# KiCad board sizif128.kicad_pcb (continued)
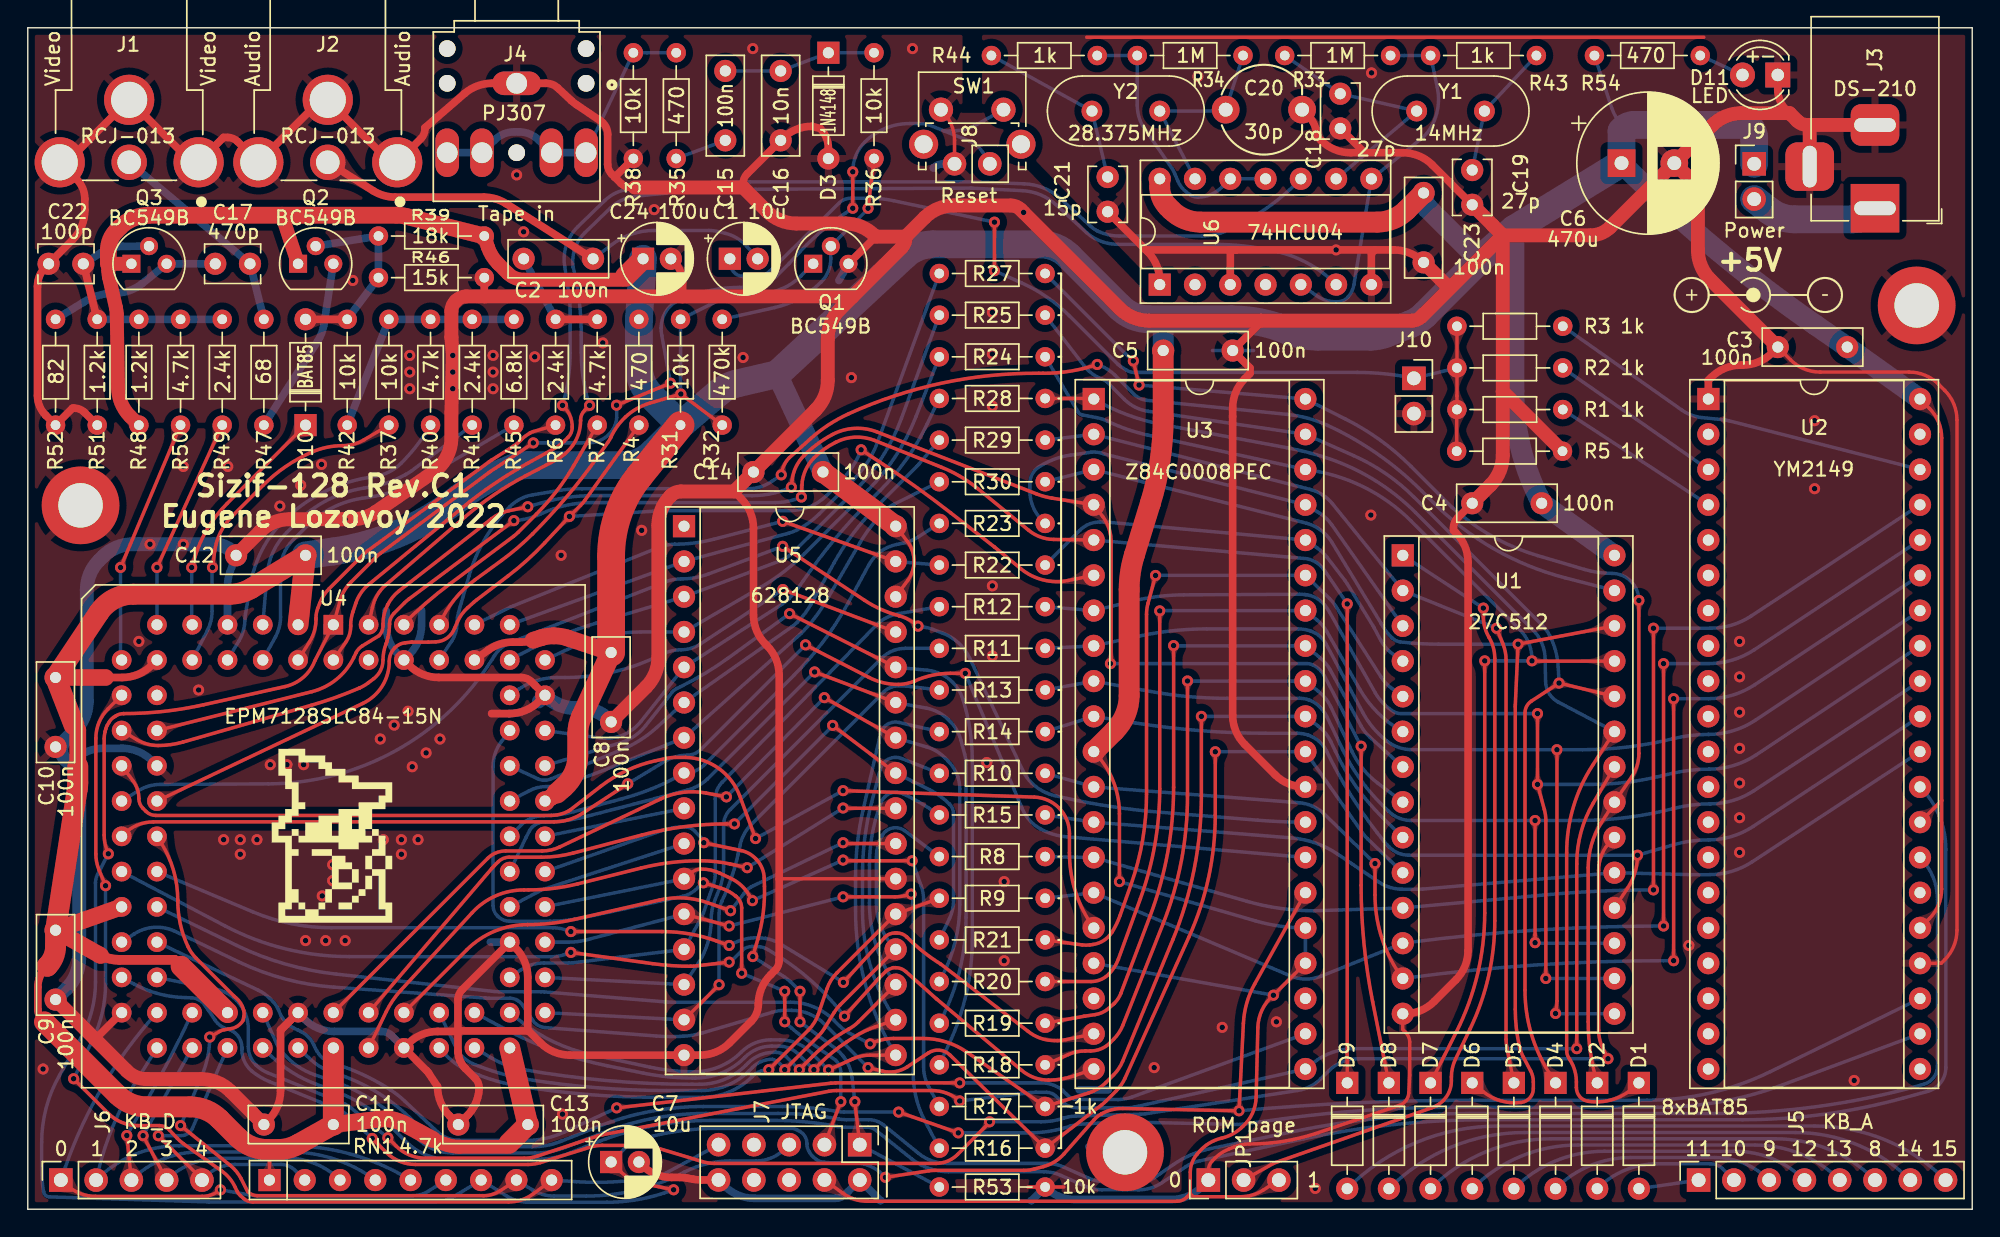
[diagram p0: board, top side]
## Copper pours and planes (outline as drawn; the poured copper is in the pictures) (continued)
VA8 on Bottom: 40.43,41.11 40,40.96 39.64,40.82 39.05,40.59 38.8,40.49 38.54,40.41 38.28,40.35 37.98,40.3 37.65,40.28 37.25,40.27 36.92,39.41 37.79,39.11 38.05,39.42 38.27,39.67 38.48,39.89 38.69,40.06 38.91,40.22 39.15,40.35 39.42,40.48 39.73,40.6 40.09,40.73 40.51,40.87
VA8 on Bottom: 49.25,42.89 49,42.75 48.77,42.64 48.58,42.56 48.4,42.5 48.23,42.46 48.05,42.44 47.87,42.42 47.67,42.41 47.45,42.4 47.19,42.38 46.9,41.38 47.91,41.13 48.06,41.35 48.18,41.54 48.29,41.71 48.39,41.86 48.5,42 48.62,42.13 48.76,42.25 48.92,42.39 49.13,42.52 49.38,42.68
VA8 on Bottom: 48.56,42.49 48.39,42.4 48.25,42.35 48.12,42.32 47.99,42.31 47.88,42.32 47.76,42.34 47.64,42.36 47.51,42.37 47.36,42.38 47.19,42.38 46.9,41.38 47.91,41.13 48,41.28 48.07,41.41 48.12,41.54 48.16,41.65 48.2,41.76 48.26,41.87 48.32,41.97 48.41,42.07 48.53,42.17 48.69,42.27
VA8 on Bottom: 64.99,59.41 65.08,59.64 65.18,59.84 65.26,60 65.35,60.14 65.45,60.26 65.55,60.38 65.66,60.49 65.79,60.6 65.94,60.73 66.11,60.89 65.76,61.73 64.93,61.34 64.95,61.12 64.97,60.92 64.99,60.75 64.99,60.59 64.99,60.44 64.98,60.29 64.95,60.12 64.91,59.94 64.84,59.74 64.75,59.5
VA8 on Bottom: 45.66,41.45 45.85,41.45 46,41.42 46.13,41.38 46.24,41.32 46.33,41.26 46.43,41.18 46.52,41.11 46.63,41.02 46.75,40.94 46.9,40.86 47.65,41.58 46.9,42.3 46.75,42.22 46.63,42.14 46.52,42.05 46.43,41.98 46.33,41.9 46.24,41.84 46.13,41.78 46,41.74 45.85,41.71 45.66,41.7
VA8 on Bottom: 44.86,41.45 45.15,41.45 45.4,41.43 45.61,41.4 45.79,41.36 45.96,41.31 46.12,41.25 46.29,41.17 46.47,41.08 46.67,40.98 46.9,40.86 47.65,41.58 46.9,42.3 46.67,42.18 46.47,42.08 46.29,41.99 46.12,41.91 45.96,41.85 45.79,41.8 45.61,41.76 45.4,41.73 45.15,41.71 44.86,41.7
VA9 on Bottom: 36.78,40.77 36.51,40.64 36.27,40.54 36.07,40.46 35.89,40.4 35.71,40.36 35.54,40.33 35.36,40.31 35.16,40.29 34.94,40.28 34.67,40.27 34.39,39.39 35.27,39.14 35.43,39.35 35.56,39.53 35.68,39.69 35.8,39.83 35.92,39.95 36.06,40.07 36.22,40.18 36.4,40.29 36.62,40.41 36.88,40.54
VA9 on Bottom: 48.7,44.79 48.52,44.74 48.36,44.71 48.23,44.7 48.11,44.72 48,44.74 47.88,44.78 47.77,44.82 47.64,44.86 47.49,44.89 47.32,44.92 46.88,43.98 47.83,43.57 47.94,43.7 48.03,43.82 48.1,43.93 48.16,44.04 48.22,44.14 48.29,44.23 48.37,44.32 48.48,44.41 48.61,44.48 48.78,44.56
VA9 on Bottom: 45,43.31 45.28,43.39 45.52,43.45 45.73,43.48 45.92,43.49 46.1,43.49 46.27,43.48 46.45,43.45 46.64,43.41 46.87,43.37 47.12,43.33 47.63,44.24 46.71,44.71 46.52,44.53 46.36,44.37 46.21,44.24 46.08,44.12 45.94,44.01 45.79,43.91 45.63,43.82 45.44,43.73 45.2,43.64 44.93,43.55
VA9 on Bottom: 65.03,62.39 65.12,62.63 65.21,62.83 65.29,63 65.38,63.14 65.47,63.26 65.57,63.37 65.68,63.49 65.81,63.61 65.95,63.74 66.12,63.9 65.75,64.73 64.93,64.33 64.96,64.11 64.98,63.91 65,63.74 65.01,63.58 65.01,63.43 65,63.27 64.98,63.11 64.94,62.93 64.88,62.72 64.79,62.48
VA9 on Bottom: 45.76,43.54 45.95,43.59 46.1,43.61 46.23,43.6 46.35,43.58 46.47,43.55 46.58,43.5 46.69,43.46 46.82,43.41 46.96,43.36 47.12,43.33 47.63,44.24 46.71,44.71 46.59,44.59 46.49,44.47 46.42,44.37 46.35,44.26 46.28,44.17 46.21,44.08 46.12,43.99 46.01,43.92 45.87,43.85 45.69,43.78
VA9 on Bottom: 36.13,40.45 35.95,40.37 35.79,40.31 35.65,40.27 35.52,40.25 35.4,40.25 35.28,40.25 35.01,40.27 34.85,40.27 34.67,40.27 34.39,39.39 35.27,39.14 35.38,39.29 35.46,39.42 35.59,39.65 35.66,39.76 35.73,39.85 35.82,39.95 35.93,40.04 36.07,40.13 36.25,40.23
VA9 on Bottom: 49.45,45.07 49.17,44.98 48.93,44.91 48.72,44.86 48.54,44.83 48.36,44.82 48.19,44.83 48.01,44.84 47.81,44.86 47.58,44.89 47.32,44.92 46.88,43.98 47.83,43.57 48.01,43.76 48.16,43.92 48.29,44.07 48.42,44.2 48.55,44.32 48.69,44.43 48.85,44.53 49.04,44.63 49.26,44.73 49.53,44.84
VA9 on Bottom: 65.27,63.05 65.33,63.2 65.4,63.32 65.47,63.41 65.55,63.49 65.63,63.55 65.71,63.6 65.81,63.66 65.9,63.72 66.01,63.8 66.12,63.9 65.75,64.73 64.93,64.33 64.95,64.19 64.98,64.06 65.02,63.95 65.05,63.85 65.08,63.75 65.1,63.65 65.11,63.54 65.11,63.43 65.08,63.29 65.03,63.14
VA10 on Bottom: 45.05,45.73 45.32,45.82 45.56,45.89 45.77,45.93 45.96,45.96 46.13,45.97 46.31,45.96 46.49,45.95 46.69,45.92 46.91,45.89 47.17,45.86 47.63,46.8 46.68,47.22 46.5,47.03 46.34,46.86 46.21,46.72 46.08,46.59 45.95,46.47 45.81,46.37 45.65,46.27 45.46,46.17 45.23,46.07 44.96,45.96
VA10 on Bottom: 45.8,46 45.98,46.05 46.13,46.08 46.27,46.09 46.39,46.07 46.5,46.04 46.61,46.01 46.73,45.97 46.86,45.92 47,45.89 47.17,45.86 47.63,46.8 46.68,47.22 46.56,47.09 46.48,46.97 46.4,46.86 46.34,46.75 46.28,46.65 46.21,46.56 46.13,46.47 46.02,46.39 45.89,46.31 45.71,46.23
VA10 on Bottom: 49.52,47.4 49.24,47.33 49,47.29 48.79,47.26 48.6,47.25 48.42,47.26 48.25,47.28 48.07,47.31 47.87,47.35 47.65,47.4 47.4,47.45 46.86,46.56 47.77,46.06 47.97,46.23 48.14,46.38 48.28,46.51 48.42,46.63 48.56,46.74 48.71,46.83 48.88,46.92 49.07,47 49.31,47.08 49.59,47.16
VA10 on Bottom: 65.03,65.39 65.12,65.63 65.21,65.83 65.29,66 65.38,66.14 65.47,66.26 65.57,66.37 65.68,66.49 65.81,66.61 65.95,66.74 66.12,66.9 65.75,67.73 64.93,67.33 64.96,67.1 64.98,66.91 65,66.74 65.01,66.58 65.01,66.43 65,66.27 64.98,66.11 64.94,65.93 64.88,65.72 64.79,65.48
VA10 on Bottom: 65.27,66.05 65.33,66.2 65.4,66.32 65.47,66.41 65.55,66.49 65.63,66.55 65.71,66.6 65.81,66.66 65.9,66.72 66.01,66.8 66.12,66.9 65.75,67.73 64.93,67.33 64.95,67.18 64.98,67.06 65.02,66.95 65.05,66.85 65.08,66.75 65.1,66.65 65.11,66.54 65.11,66.43 65.08,66.29 65.03,66.14
VA10 on Bottom: 48.75,47.2 48.57,47.16 48.41,47.14 48.28,47.15 48.16,47.17 48.05,47.21 47.94,47.26 47.83,47.31 47.7,47.36 47.56,47.41 47.4,47.45 46.86,46.56 47.77,46.06 47.9,46.17 48,46.28 48.08,46.39 48.15,46.49 48.22,46.59 48.3,46.67 48.39,46.76 48.5,46.83 48.64,46.9 48.82,46.95
VA10 on Bottom: 35.99,42.7 35.83,42.65 35.7,42.63 35.58,42.62 35.47,42.63 35.37,42.66 35.27,42.69 35.16,42.72 35.05,42.76 34.92,42.79 34.77,42.81 34.37,41.98 35.21,41.6 35.31,41.72 35.39,41.82 35.45,41.92 35.51,42.01 35.57,42.1 35.63,42.18 35.71,42.26 35.8,42.33 35.92,42.4 36.08,42.47
VA10 on Bottom: 36.66,42.95 36.41,42.86 36.2,42.8 36.02,42.76 35.85,42.73 35.69,42.72 35.54,42.73 35.38,42.74 35.2,42.76 35,42.78 34.77,42.81 34.37,41.98 35.21,41.6 35.37,41.77 35.51,41.92 35.63,42.05 35.75,42.16 35.86,42.26 35.99,42.35 36.13,42.44 36.3,42.53 36.5,42.62 36.75,42.71
VA11 on Bottom: 64.21,55.27 64.43,55.65 64.61,55.98 64.76,56.27 64.9,56.52 65.03,56.75 65.17,56.96 65.34,57.17 65.53,57.38 65.77,57.61 66.07,57.85 65.78,58.72 64.93,58.4 64.93,58.01 64.91,57.68 64.88,57.4 64.83,57.13 64.76,56.89 64.67,56.64 64.55,56.38 64.4,56.1 64.22,55.77 64,55.39
VA11 on Bottom: 39.37,34.32 39.11,34.36 38.9,34.4 38.71,34.45 38.55,34.51 38.41,34.57 38.27,34.65 38.14,34.73 37.99,34.83 37.82,34.94 37.63,35.07 36.89,34.53 37.46,33.8 37.68,33.88 37.87,33.94 38.04,34 38.19,34.05 38.34,34.08 38.5,34.11 38.67,34.12 38.86,34.12 39.08,34.1 39.34,34.07
VA11 on Bottom: 38.67,34.41 38.5,34.44 38.37,34.49 38.26,34.54 38.17,34.6 38.09,34.66 38.02,34.74 37.94,34.81 37.85,34.9 37.75,34.98 37.63,35.07 36.89,34.53 37.46,33.8 37.6,33.86 37.72,33.91 37.83,33.97 37.92,34.03 38.01,34.08 38.1,34.12 38.21,34.16 38.33,34.18 38.47,34.18 38.63,34.17
VA11 on Bottom: 48.52,40.01 48.36,39.91 48.21,39.85 48.08,39.82 47.96,39.81 47.85,39.81 47.73,39.82 47.6,39.83 47.47,39.84 47.32,39.85 47.15,39.83 46.91,38.82 47.93,38.62 48.01,38.77 48.07,38.91 48.12,39.03 48.16,39.15 48.2,39.26 48.24,39.37 48.3,39.48 48.39,39.58 48.5,39.69 48.65,39.8
VA11 on Bottom: 49.19,40.44 48.94,40.28 48.73,40.17 48.53,40.08 48.36,40.01 48.19,39.96 48.02,39.93 47.84,39.91 47.64,39.89 47.41,39.86 47.15,39.83 46.91,38.82 47.93,38.62 48.07,38.85 48.18,39.04 48.28,39.21 48.38,39.37 48.48,39.51 48.59,39.64 48.72,39.78 48.89,39.92 49.08,40.06 49.33,40.23
VA11 on Bottom: 46.36,37.72 46.48,37.86 46.6,37.96 46.71,38.04 46.82,38.09 46.93,38.12 47.05,38.15 47.17,38.17 47.3,38.21 47.44,38.25 47.6,38.32 47.5,39.35 46.47,39.21 46.44,39.05 46.43,38.9 46.43,38.77 46.43,38.64 46.43,38.52 46.42,38.41 46.39,38.29 46.35,38.16 46.27,38.03 46.16,37.87
VA11 on Bottom: 45.86,37.09 46.05,37.32 46.21,37.5 46.37,37.65 46.51,37.77 46.66,37.86 46.81,37.95 46.97,38.03 47.16,38.12 47.36,38.21 47.6,38.32 47.5,39.35 46.47,39.21 46.41,38.96 46.37,38.74 46.33,38.54 46.29,38.37 46.24,38.2 46.18,38.04 46.09,37.87 45.98,37.68 45.84,37.48 45.67,37.25
VA11 on Bottom: 65.15,57.09 65.22,57.24 65.3,57.35 65.38,57.43 65.46,57.5 65.55,57.55 65.64,57.6 65.74,57.65 65.84,57.7 65.95,57.77 66.07,57.85 65.78,58.72 64.93,58.4 64.94,58.25 64.95,58.12 64.98,58.01 65,57.9 65.02,57.8 65.04,57.7 65.04,57.6 65.02,57.48 64.98,57.35 64.92,57.2
VA12 on Bottom: 46.16,35.33 46.31,35.45 46.44,35.54 46.56,35.59 46.68,35.63 46.79,35.64 46.91,35.65 47.03,35.66 47.17,35.67 47.31,35.69 47.48,35.73 47.55,36.77 46.51,36.8 46.45,36.64 46.42,36.49 46.39,36.36 46.38,36.24 46.36,36.12 46.33,36.01 46.29,35.89 46.22,35.78 46.12,35.65 45.99,35.52
VA12 on Bottom: 64.37,53.73 64.54,53.92 64.69,54.07 64.83,54.2 64.96,54.3 65.09,54.38 65.22,54.46 65.36,54.52 65.52,54.59 65.7,54.67 65.91,54.76 65.86,55.67 64.95,55.58 64.9,55.36 64.85,55.16 64.81,55 64.77,54.84 64.72,54.7 64.65,54.56 64.57,54.41 64.47,54.26 64.34,54.09 64.18,53.89
VA12 on Bottom: 49.13,37.98 48.89,37.81 48.68,37.68 48.49,37.59 48.32,37.51 48.15,37.46 47.98,37.42 47.8,37.39 47.6,37.36 47.38,37.33 47.12,37.29 46.92,36.27 47.95,36.11 48.07,36.34 48.18,36.54 48.27,36.72 48.36,36.87 48.46,37.02 48.57,37.16 48.69,37.3 48.85,37.44 49.04,37.6 49.28,37.77
VA12 on Bottom: 36.69,31.16 36.45,31.27 36.26,31.38 36.1,31.48 35.96,31.58 35.84,31.68 35.74,31.79 35.63,31.91 35.52,32.05 35.4,32.21 35.25,32.39 34.38,32.09 34.71,31.23 34.94,31.23 35.14,31.24 35.32,31.25 35.48,31.24 35.64,31.23 35.79,31.21 35.96,31.17 36.14,31.11 36.34,31.03 36.58,30.93
VA12 on Bottom: 45.57,34.79 45.79,34.99 45.98,35.14 46.16,35.26 46.32,35.36 46.48,35.43 46.65,35.49 46.82,35.55 47.01,35.6 47.23,35.66 47.48,35.73 47.55,36.77 46.51,36.8 46.41,36.55 46.33,36.34 46.26,36.16 46.19,35.99 46.12,35.83 46.03,35.68 45.92,35.52 45.78,35.36 45.61,35.18 45.4,34.98
VA12 on Bottom: 64.83,54.26 64.94,54.38 65.04,54.47 65.14,54.53 65.24,54.57 65.33,54.6 65.43,54.62 65.54,54.64 65.65,54.67 65.78,54.71 65.91,54.76 65.86,55.67 64.95,55.58 64.92,55.43 64.91,55.3 64.9,55.19 64.9,55.08 64.89,54.98 64.88,54.88 64.85,54.78 64.8,54.67 64.73,54.55 64.64,54.42
VA12 on Bottom: 48.48,37.52 48.32,37.42 48.18,37.35 48.05,37.31 47.93,37.29 47.81,37.29 47.7,37.3 47.57,37.31 47.44,37.31 47.29,37.31 47.12,37.29 46.92,36.27 47.95,36.11 48.02,36.26 48.08,36.4 48.12,36.53 48.15,36.65 48.19,36.76 48.23,36.87 48.28,36.98 48.36,37.09 48.47,37.2 48.62,37.31
VA12 on Bottom: 36.04,31.46 35.89,31.53 35.78,31.61 35.69,31.69 35.62,31.78 35.57,31.86 35.52,31.96 35.47,32.05 35.41,32.16 35.34,32.27 35.25,32.39 34.38,32.09 34.71,31.23 34.86,31.24 34.99,31.26 35.11,31.28 35.22,31.31 35.32,31.33 35.42,31.34 35.53,31.34 35.65,31.33 35.78,31.29 35.94,31.23
VA13 on Bottom: 64.44,51.67 64.59,51.74 64.72,51.78 64.84,51.79 64.94,51.79 65.04,51.78 65.14,51.76 65.25,51.74 65.36,51.72 65.49,51.71 65.64,51.7 65.94,52.56 65.08,52.83 64.99,52.71 64.93,52.6 64.87,52.49 64.83,52.4 64.78,52.31 64.73,52.22 64.67,52.14 64.58,52.05 64.47,51.97 64.33,51.89
VA13 on Bottom: 48.95,35.64 48.73,35.45 48.53,35.3 48.36,35.18 48.19,35.09 48.03,35.02 47.87,34.96 47.69,34.91 47.5,34.86 47.28,34.8 47.03,34.73 46.95,33.69 47.99,33.65 48.09,33.9 48.17,34.11 48.24,34.29 48.31,34.46 48.39,34.62 48.48,34.77 48.59,34.92 48.73,35.08 48.9,35.26 49.12,35.46
VA13 on Bottom: 48.35,35.11 48.21,34.99 48.07,34.91 47.95,34.86 47.83,34.83 47.72,34.81 47.6,34.8 47.48,34.8 47.34,34.79 47.2,34.77 47.03,34.73 46.95,33.69 47.99,33.65 48.05,33.81 48.08,33.96 48.11,34.09 48.13,34.21 48.15,34.33 48.18,34.44 48.22,34.55 48.29,34.67 48.39,34.79 48.52,34.92
VA13 on Bottom: 37.47,30.56 37.09,30.57 36.77,30.54 36.5,30.49 36.26,30.42 36.04,30.34 35.83,30.26 35.6,30.19 35.36,30.14 35.07,30.11 34.74,30.11 34.39,29.23 35.27,28.98 35.46,29.24 35.63,29.47 35.8,29.68 35.96,29.86 36.13,30.01 36.33,30.13 36.54,30.23 36.8,30.29 37.1,30.32 37.45,30.31
VA13 on Bottom: 63.81,51.36 64.04,51.47 64.24,51.55 64.42,51.61 64.58,51.66 64.73,51.68 64.88,51.7 65.04,51.7 65.21,51.7 65.41,51.7 65.64,51.7 65.94,52.56 65.08,52.83 64.94,52.65 64.82,52.49 64.72,52.35 64.62,52.23 64.51,52.12 64.4,52.01 64.27,51.91 64.12,51.81 63.93,51.7 63.7,51.58
VA13 on Bottom: 45.82,33.25 46,33.31 46.15,33.34 46.29,33.35 46.41,33.34 46.52,33.32 46.64,33.28 46.75,33.25 46.88,33.21 47.03,33.18 47.2,33.16 47.62,34.11 46.66,34.5 46.55,34.37 46.47,34.24 46.4,34.13 46.34,34.02 46.28,33.92 46.21,33.82 46.13,33.73 46.03,33.64 45.9,33.56 45.73,33.48
VA13 on Bottom: 45.08,32.95 45.36,33.05 45.59,33.13 45.8,33.18 45.98,33.21 46.16,33.23 46.33,33.23 46.51,33.22 46.71,33.2 46.94,33.18 47.2,33.16 47.62,34.11 46.66,34.5 46.48,34.3 46.34,34.13 46.21,33.98 46.08,33.85 45.96,33.73 45.82,33.61 45.66,33.51 45.48,33.4 45.26,33.29 44.99,33.18
VA13 on Bottom: 35.9,30.18 35.75,30.11 35.61,30.06 35.5,30.04 35.39,30.04 35.28,30.04 35.18,30.06 35.07,30.08 34.96,30.1 34.82,30.11 34.67,30.11 34.39,29.23 35.27,28.98 35.36,29.1 35.42,29.22 35.47,29.33 35.52,29.43 35.56,29.52 35.61,29.61 35.68,29.7 35.76,29.79 35.87,29.87 36.01,29.96
VA14 on Bottom: 35.9,22.56 35.75,22.49 35.61,22.44 35.5,22.42 35.39,22.41 35.28,22.42 35.18,22.44 35.07,22.46 34.96,22.48 34.82,22.49 34.67,22.49 34.39,21.61 35.27,21.36 35.36,21.48 35.42,21.6 35.47,21.71 35.52,21.81 35.56,21.9 35.61,21.99 35.68,22.08 35.76,22.17 35.87,22.25 36.01,22.34
VA14 on Bottom: 45.02,25.48 45.3,25.57 45.54,25.63 45.75,25.66 45.93,25.68 46.11,25.69 46.28,25.67 46.46,25.65 46.66,25.62 46.88,25.59 47.14,25.55 47.63,26.46 46.7,26.92 46.51,26.73 46.35,26.57 46.21,26.43 46.08,26.31 45.94,26.2 45.8,26.1 45.64,26 45.44,25.91 45.22,25.81 44.94,25.72
VA14 on Bottom: 36.53,22.89 36.29,22.77 36.09,22.68 35.91,22.61 35.75,22.57 35.6,22.54 35.44,22.52 35.28,22.51 35.11,22.5 34.91,22.5 34.67,22.49 34.39,21.61 35.27,21.36 35.41,21.55 35.52,21.71 35.63,21.85 35.73,21.98 35.83,22.1 35.94,22.21 36.07,22.32 36.23,22.43 36.41,22.54 36.64,22.67
VA14 on Bottom: 45.78,25.73 45.96,25.78 46.11,25.8 46.25,25.8 46.37,25.78 46.48,25.75 46.59,25.71 46.71,25.66 46.83,25.62 46.97,25.58 47.14,25.55 47.63,26.46 46.7,26.92 46.58,26.79 46.49,26.68 46.41,26.57 46.34,26.46 46.28,26.36 46.21,26.27 46.12,26.19 46.01,26.11 45.87,26.03 45.7,25.97
VA15 on Bottom: 45.72,28.44 45.9,28.47 46.06,28.47 46.19,28.46 46.31,28.43 46.42,28.38 46.52,28.33 46.63,28.27 46.75,28.21 46.89,28.16 47.05,28.11 47.64,28.96 46.77,29.52 46.64,29.41 46.53,29.3 46.44,29.2 46.36,29.11 46.29,29.02 46.21,28.93 46.11,28.86 45.99,28.79 45.85,28.73 45.67,28.69
VA15 on Bottom: 44.93,28.28 45.22,28.34 45.47,28.37 45.68,28.38 45.87,28.38 46.04,28.36 46.21,28.33 46.39,28.29 46.58,28.23 46.8,28.17 47.05,28.11 47.64,28.96 46.77,29.52 46.56,29.36 46.38,29.22 46.23,29.09 46.08,28.98 45.94,28.89 45.78,28.8 45.61,28.73 45.41,28.66 45.17,28.59 44.88,28.53
VA15 on Bottom: 39.31,27.4 39.05,27.36 38.83,27.33 38.64,27.31 38.47,27.31 38.32,27.33 38.16,27.35 38.01,27.39 37.83,27.44 37.64,27.49 37.42,27.55 36.89,26.79 37.67,26.29 37.85,26.44 38.01,26.56 38.15,26.67 38.28,26.76 38.41,26.85 38.55,26.92 38.71,26.98 38.89,27.05 39.1,27.1 39.35,27.16
VA15 on Bottom: 38.61,27.26 38.44,27.24 38.3,27.23 38.18,27.25 38.08,27.27 37.98,27.31 37.89,27.36 37.79,27.41 37.68,27.46 37.56,27.5 37.42,27.55 36.89,26.79 37.67,26.29 37.79,26.39 37.88,26.48 37.96,26.57 38.03,26.65 38.1,26.73 38.17,26.8 38.26,26.87 38.37,26.93 38.5,26.98 38.66,27.02
VA16 on Top: 49.44,21.78 49.57,21.73 49.69,21.68 49.78,21.64 49.87,21.6 49.94,21.55 50.01,21.5 50.08,21.45 50.15,21.38 50.23,21.31 50.32,21.22 50.79,21.43 50.55,21.9 50.43,21.88 50.32,21.87 50.23,21.87 50.14,21.87 50.06,21.87 49.97,21.88 49.88,21.9 49.77,21.93 49.66,21.97 49.52,22.01
VA16 on Top: 28,15.25 27.87,15.14 27.76,15.06 27.65,15 27.55,14.97 27.45,14.95 27.35,14.93 27.24,14.92 27.12,14.9 26.99,14.87 26.85,14.83 26.83,13.91 27.75,13.93 27.79,14.07 27.82,14.2 27.84,14.32 27.85,14.43 27.87,14.53 27.89,14.63 27.92,14.73 27.98,14.84 28.06,14.95 28.17,15.08
VA16 on Top: 28.5,15.76 28.31,15.58 28.15,15.43 28,15.31 27.85,15.22 27.72,15.15 27.58,15.08 27.42,15.03 27.26,14.97 27.07,14.91 26.85,14.83 26.83,13.91 27.75,13.93 27.83,14.15 27.89,14.34 27.95,14.5 28,14.66 28.07,14.8 28.14,14.93 28.23,15.08 28.35,15.23 28.5,15.39 28.68,15.58
VA16 on Top: 60.9,26.21 61.09,26.21 61.24,26.18 61.37,26.14 61.48,26.08 61.57,26.02 61.67,25.94 61.76,25.87 61.87,25.78 61.99,25.7 62.14,25.62 62.89,26.34 62.14,27.06 61.99,26.98 61.87,26.9 61.76,26.81 61.67,26.74 61.57,26.66 61.48,26.6 61.37,26.54 61.24,26.5 61.09,26.47 60.9,26.46
VA16 on Top: 60.1,26.21 60.39,26.21 60.64,26.19 60.85,26.16 61.03,26.12 61.2,26.07 61.36,26.01 61.53,25.93 61.71,25.84 61.91,25.74 62.14,25.62 62.89,26.34 62.14,27.06 61.91,26.94 61.71,26.84 61.53,26.75 61.36,26.67 61.2,26.61 61.03,26.56 60.85,26.52 60.64,26.49 60.39,26.47 60.1,26.46
VA16 on Bottom: 57.68,25.77 57.81,25.83 57.92,25.88 58.02,25.92 58.11,25.95 58.2,25.97 58.28,25.99 58.37,25.99 58.47,26 58.57,26 58.7,26 58.88,26.49 58.39,26.65 58.31,26.55 58.24,26.47 58.18,26.4 58.12,26.33 58.05,26.28 57.98,26.22 57.9,26.17 57.81,26.12 57.7,26.06 57.57,26
VA16 on Bottom: 51.23,22.52 51.14,22.4 51.06,22.31 50.99,22.23 50.92,22.16 50.86,22.11 50.79,22.06 50.71,22.01 50.63,21.96 50.53,21.91 50.42,21.86 50.48,21.34 50.99,21.42 51.02,21.54 51.04,21.64 51.07,21.74 51.09,21.82 51.12,21.9 51.16,21.98 51.21,22.06 51.27,22.15 51.34,22.25 51.43,22.36
VD0 on Top: 60.89,16.94 61.1,17.14 61.29,17.31 61.46,17.44 61.61,17.54 61.77,17.62 61.93,17.69 62.1,17.75 62.29,17.81 62.51,17.88 62.75,17.96 62.77,19 61.73,18.98 61.65,18.74 61.58,18.52 61.52,18.33 61.46,18.16 61.39,18 61.31,17.84 61.21,17.69 61.08,17.52 60.91,17.33 60.71,17.12
VD0 on Top: 55.25,10.98 55.15,10.88 55.06,10.79 54.98,10.73 54.9,10.67 54.83,10.62 54.76,10.58 54.68,10.54 54.59,10.51 54.49,10.47 54.37,10.43 54.36,9.91 54.88,9.92 54.92,10.04 54.96,10.14 54.99,10.23 55.03,10.31 55.07,10.38 55.12,10.45 55.18,10.53 55.24,10.61 55.33,10.7 55.43,10.8
VD0 on Top: 61.45,17.51 61.59,17.63 61.72,17.72 61.84,17.78 61.96,17.82 62.07,17.84 62.19,17.86 62.31,17.87 62.44,17.89 62.59,17.92 62.75,17.96 62.77,19 61.73,18.98 61.69,18.82 61.66,18.67 61.64,18.54 61.63,18.42 61.61,18.3 61.59,18.19 61.55,18.07 61.49,17.95 61.4,17.82 61.28,17.68
VD0 on Bottom: 61.46,19.96 61.54,19.78 61.59,19.62 61.62,19.48 61.64,19.35 61.64,19.23 61.65,18.98 61.66,18.85 61.68,18.7 61.71,18.52 62.75,18.41 62.82,19.45 62.66,19.51 62.52,19.55 62.39,19.58 62.27,19.6 62.16,19.63 62.05,19.67 61.95,19.73 61.86,19.81 61.77,19.92 61.68,20.07
VD0 on Bottom: 30.35,12.93 30.28,13.09 30.25,13.22 30.23,13.34 30.23,13.45 30.24,13.55 30.26,13.65 30.28,13.76 30.31,13.88 30.32,14.01 30.33,14.16 29.47,14.48 29.18,13.6 29.3,13.51 29.41,13.45 29.52,13.39 29.62,13.34 29.71,13.3 29.8,13.24 29.88,13.17 29.96,13.09 30.04,12.97 30.12,12.83
VD0 on Bottom: 53.58,10.68 53.69,10.64 53.79,10.6 53.87,10.55 53.93,10.49 53.97,10.42 54.01,10.35 54.04,10.26 54.06,10.17 54.09,10.08 54.11,9.97 54.62,9.89 54.6,10.44 54.47,10.48 54.37,10.52 54.29,10.57 54.21,10.62 54.07,10.73 53.99,10.78 53.89,10.83 53.78,10.88 53.63,10.92
VD0 on Bottom: 64.44,26.13 64.57,26.03 64.66,25.93 64.73,25.84 64.78,25.74 64.81,25.65 64.84,25.55 64.87,25.44 64.9,25.33 64.95,25.21 65.01,25.08 65.91,25.19 65.76,26.09 65.62,26.11 65.49,26.12 65.37,26.12 65.27,26.11 65.16,26.11 65.06,26.12 64.96,26.14 64.85,26.18 64.73,26.24 64.59,26.33
VD0 on Bottom: 61.16,20.73 61.25,20.43 61.32,20.17 61.37,19.96 61.42,19.76 61.46,19.58 61.55,19.22 61.59,19.02 61.65,18.79 61.71,18.52 62.75,18.41 62.82,19.45 62.39,19.64 62.21,19.72 62.06,19.81 61.92,19.9 61.79,20.02 61.68,20.16 61.58,20.33 61.49,20.54 61.4,20.8
VD0 on Bottom: 30.66,12.29 30.55,12.53 30.47,12.74 30.41,12.92 30.37,13.08 30.34,13.23 30.33,13.39 30.32,13.55 30.33,13.73 30.33,13.93 30.33,14.16 29.47,14.48 29.18,13.6 29.36,13.46 29.52,13.34 29.66,13.23 29.78,13.13 29.9,13.02 30,12.9 30.1,12.77 30.21,12.61 30.32,12.42 30.43,12.18
VD0 on Bottom: 63.88,26.55 64.08,26.4 64.25,26.26 64.38,26.13 64.49,26 64.58,25.88 64.66,25.75 64.74,25.61 64.82,25.46 64.91,25.28 65.01,25.08 65.91,25.19 65.76,26.09 65.54,26.13 65.35,26.16 65.18,26.19 65.02,26.23 64.88,26.27 64.73,26.32 64.58,26.39 64.42,26.48 64.24,26.6 64.03,26.75
VD1 on Top: 63.71,21.57 63.95,21.65 64.16,21.71 64.34,21.75 64.5,21.78 64.66,21.79 64.81,21.78 64.97,21.77 65.14,21.75 65.33,21.73 65.56,21.7 65.96,22.52 65.13,22.89 64.97,22.72 64.84,22.58 64.72,22.46 64.6,22.35 64.49,22.25 64.37,22.15 64.23,22.07 64.06,21.98 63.86,21.9 63.62,21.8
VD1 on Top: 61.45,20.05 61.59,20.17 61.72,20.26 61.84,20.32 61.96,20.36 62.07,20.38 62.19,20.4 62.31,20.41 62.44,20.43 62.59,20.46 62.75,20.5 62.77,21.54 61.73,21.52 61.69,21.36 61.66,21.21 61.64,21.08 61.63,20.96 61.61,20.84 61.59,20.73 61.55,20.61 61.49,20.49 61.4,20.36 61.28,20.22
VD1 on Top: 60.89,19.48 61.1,19.68 61.29,19.85 61.46,19.98 61.61,20.08 61.77,20.16 61.93,20.23 62.1,20.29 62.29,20.35 62.51,20.42 62.75,20.5 62.77,21.54 61.73,21.52 61.65,21.28 61.58,21.06 61.52,20.87 61.46,20.7 61.39,20.54 61.31,20.38 61.21,20.23 61.08,20.06 60.91,19.87 60.71,19.66
VD1 on Top: 64.37,21.81 64.52,21.86 64.66,21.88 64.77,21.89 64.88,21.88 64.98,21.85 65.07,21.82 65.18,21.79 65.29,21.75 65.41,21.73 65.56,21.7 65.96,22.52 65.13,22.89 65.03,22.78 64.95,22.68 64.89,22.58 64.83,22.49 64.78,22.4 64.72,22.32 64.64,22.24 64.55,22.17 64.43,22.11 64.28,22.04
VD1 on Top: 54.1,10.98 54,10.88 53.91,10.79 53.83,10.73 53.75,10.67 53.68,10.62 53.61,10.58 53.53,10.54 53.44,10.51 53.34,10.47 53.22,10.43 53.21,9.91 53.73,9.92 53.77,10.04 53.81,10.14 53.84,10.23 53.88,10.31 53.92,10.38 53.97,10.45 54.03,10.53 54.09,10.61 54.18,10.7 54.28,10.8
VD1 on Top: 64.69,22.19 64.42,22.1 64.18,22.03 63.97,21.99 63.78,21.96 63.61,21.95 63.43,21.96 63.25,21.97 63.05,22 62.83,22.03 62.57,22.06 62.11,21.12 63.06,20.7 63.24,20.89 63.4,21.06 63.53,21.2 63.66,21.33 63.79,21.45 63.93,21.55 64.09,21.65 64.28,21.75 64.51,21.85 64.78,21.96
VD1 on Top: 63.94,21.92 63.76,21.87 63.61,21.84 63.47,21.83 63.35,21.85 63.24,21.88 63.13,21.91 63.01,21.95 62.88,22 62.74,22.03 62.57,22.06 62.11,21.12 63.06,20.7 63.18,20.83 63.26,20.95 63.34,21.06 63.4,21.17 63.46,21.27 63.53,21.36 63.61,21.45 63.72,21.53 63.85,21.61 64.03,21.69
VD1 on Bottom: 52.33,9.55 52.43,9.62 52.52,9.68 52.6,9.73 52.69,9.75 52.77,9.77 52.85,9.77 52.93,9.76 53.02,9.74 53.12,9.71 53.22,9.67 53.55,10.07 53.09,10.35 52.99,10.27 52.9,10.21 52.81,10.15 52.73,10.11 52.57,10.02 52.48,9.97 52.39,9.91 52.29,9.83 52.17,9.74
VD1 on Bottom: 30.71,10.72 30.59,10.83 30.5,10.93 30.45,11.03 30.41,11.13 30.39,11.23 30.38,11.33 30.37,11.44 30.36,11.56 30.34,11.69 30.3,11.84 29.38,11.88 29.37,10.95 29.51,10.91 29.64,10.87 29.76,10.85 29.87,10.83 29.97,10.81 30.07,10.79 30.18,10.75 30.29,10.7 30.42,10.63 30.56,10.52
VD1 on Bottom: 31.28,10.33 31.07,10.46 30.91,10.59 30.77,10.71 30.67,10.84 30.59,10.97 30.52,11.11 30.47,11.26 30.42,11.43 30.36,11.62 30.3,11.84 29.38,11.88 29.37,10.95 29.59,10.87 29.78,10.8 29.95,10.73 30.1,10.67 30.25,10.61 30.39,10.54 30.55,10.46 30.72,10.36 30.92,10.25 31.16,10.11
VD2 on Top: 60.36,12.74 60.62,12.85 60.84,12.93 61.04,12.98 61.22,13 61.39,13 61.56,12.98 61.73,12.96 61.93,12.92 62.14,12.88 62.39,12.85 62.87,13.77 61.93,14.21 61.75,14.03 61.59,13.88 61.46,13.74 61.33,13.62 61.2,13.51 61.06,13.41 60.91,13.31 60.73,13.21 60.51,13.09 60.25,12.97
VD2 on Top: 59.67,12.36 60,12.56 60.29,12.71 60.55,12.82 60.79,12.89 61.02,12.94 61.25,12.95 61.49,12.95 61.76,12.92 62.05,12.89 62.39,12.85 62.87,13.77 61.93,14.21 61.67,13.97 61.45,13.77 61.24,13.61 61.05,13.47 60.85,13.35 60.65,13.23 60.17,12.95 59.88,12.78 59.54,12.58
VD2 on Top: 57.54,11.13 57.3,10.91 57.2,10.83 57.11,10.75 57.02,10.69 56.93,10.63 56.84,10.58 56.73,10.53 56.61,10.48 56.47,10.43 56.46,9.91 56.98,9.92 57.03,10.06 57.08,10.18 57.12,10.29 57.18,10.38 57.23,10.47 57.3,10.55 57.38,10.64 57.47,10.73 57.58,10.83 57.71,10.95
VD2 on Bottom: 61.21,15.69 61.33,15.41 61.43,15.17 61.49,14.97 61.55,14.78 61.58,14.6 61.61,14.43 61.63,14.25 61.67,13.82 61.69,13.55 62.7,13.3 62.91,14.32 62.69,14.45 62.5,14.57 62.33,14.67 62.18,14.77 62.05,14.88 61.92,15 61.8,15.14 61.68,15.32 61.57,15.53 61.44,15.79
VD2 on Bottom: 55.67,10.8 55.77,10.7 55.86,10.61 55.92,10.53 55.98,10.45 56.03,10.38 56.07,10.31 56.11,10.23 56.14,10.14 56.18,10.04 56.22,9.92 56.74,9.91 56.73,10.43 56.61,10.47 56.51,10.51 56.42,10.54 56.34,10.58 56.27,10.62 56.2,10.67 56.12,10.73 56.04,10.79 55.95,10.88 55.85,10.98
VD2 on Bottom: 64.29,31.79 64.44,31.73 64.56,31.66 64.65,31.58 64.72,31.5 64.78,31.42 64.83,31.33 64.89,31.24 64.95,31.14 65.02,31.04 65.12,30.93 65.96,31.27 65.58,32.1 65.43,32.08 65.3,32.05 65.19,32.02 65.09,31.99 64.99,31.96 64.89,31.94 64.79,31.94 64.67,31.94 64.54,31.97 64.38,32.02
VD2 on Bottom: 33.47,13.6 33.33,13.68 33.22,13.77 33.13,13.86 33.07,13.94 33.02,14.03 32.98,14.13 32.93,14.23 32.88,14.34 32.82,14.45 32.74,14.58 31.85,14.33 32.13,13.45 32.28,13.45 32.41,13.46 32.53,13.48 32.64,13.5 32.74,13.51 32.84,13.52 32.95,13.52 33.07,13.49 33.2,13.45 33.35,13.38